# Altium PCB X98_CARRIER_V1R2_12082022.PcbDoc (part 3 of 10)
Units mm, origin at the board's own origin, x right, y up, seen from the top; angles counter-clockwise.
Board outline 100 x 72 mm, 4 copper layers (Top Layer, Layer 1, Layer 2, Bottom Layer), stack 1.543 mm thick; 772 components, 527 nets, 2344 pads, 1194 vias.
Unrouted connection lines stored in the file: 58.
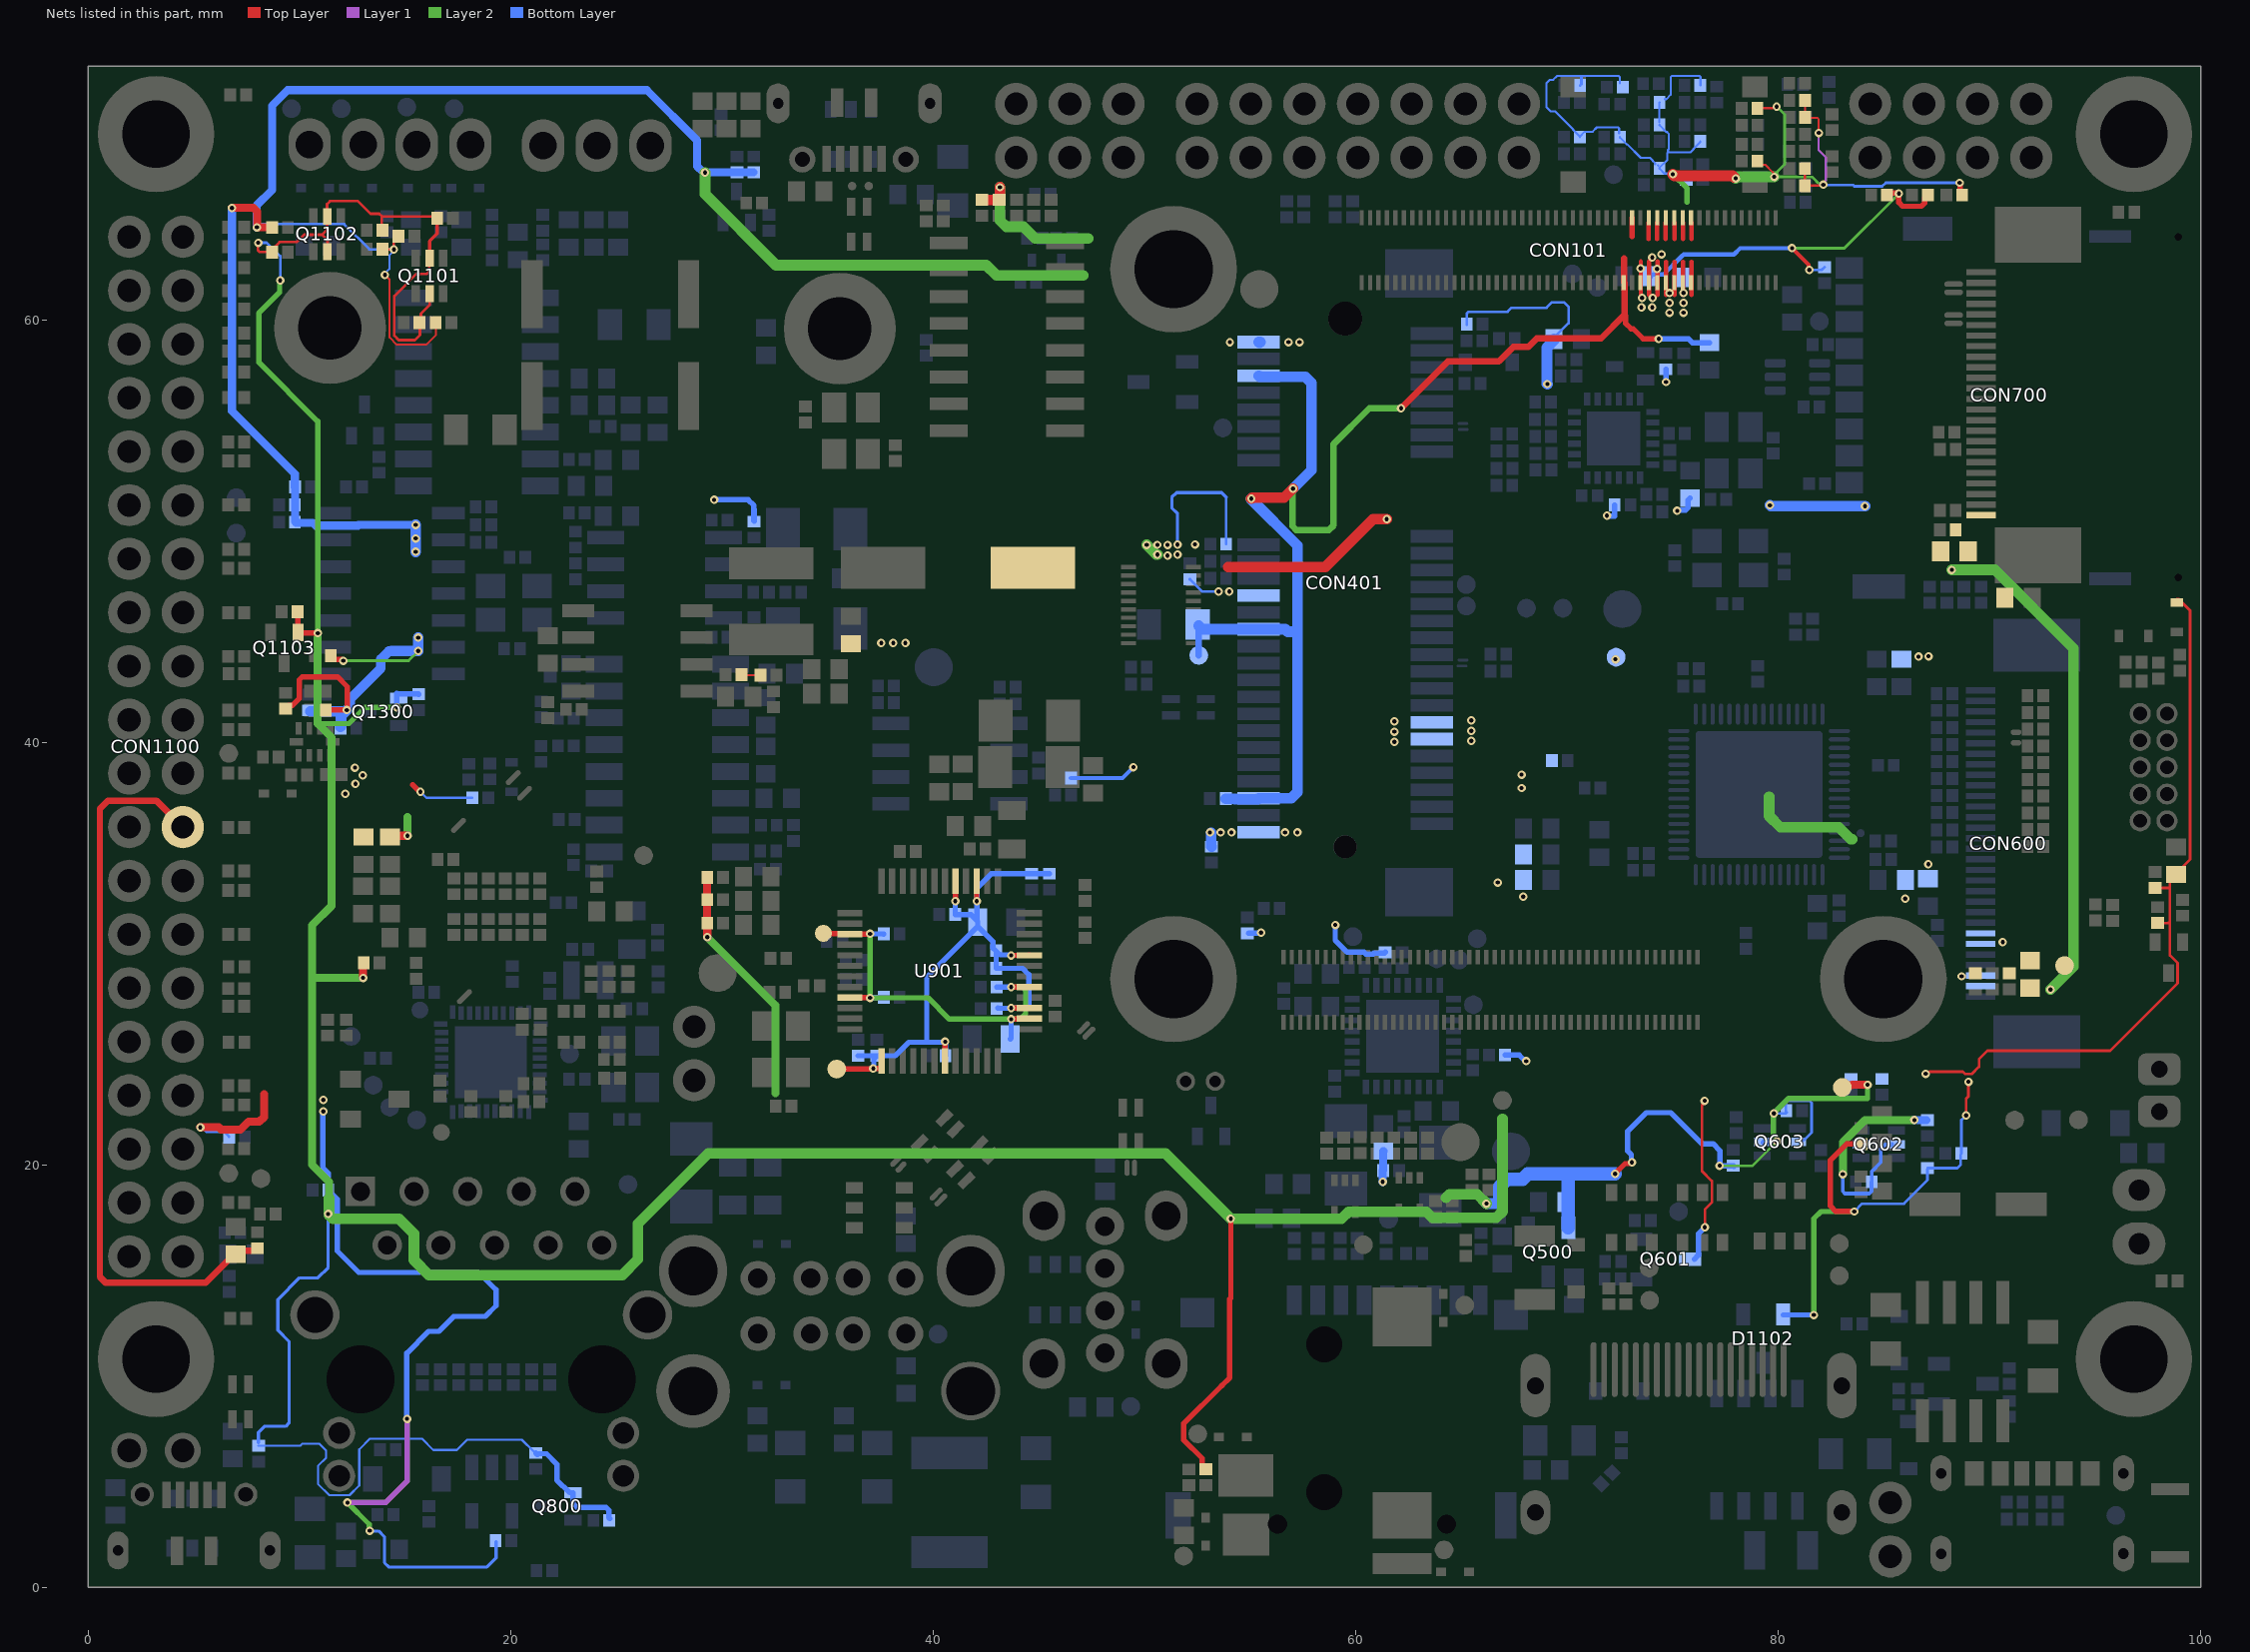
[diagram p5: the nets of this part, all layers, seen from the top]

## Footprints (in the part's own frame and the unit in brackets; to place one, negate y for a bottom-side part, rotate by r counter-clockwise, add the part's x,y. Pads: shape width x height; smd on the part's side, far side on the other; paste and mask are expansions set on the pad) (continued)
XTLOSC4_3P2X2P5MM_SM#1 [mm]
  rect 1.4x1.15 smd mask+0.051: 1(-1.1,-0.8) 2(1.1,-0.8) 3(1.1,0.8) 4(-1.1,0.8)
  silkscreen extent -2.59,-1.6 2.02,1.6, body extent -1.6,-1.25 1.6,1.25, height 0.6
XTLOSC4_3P2X2P5MM_SM#2 [mm]
  rect 1.4x1.15 smd: 1(-1.1,-0.8) 2(1.1,-0.8) 3(1.1,0.8) 4(-1.1,0.8)
  silkscreen extent -2.09,-2.2 2.11,1.69, body extent -1.6,-1.25 1.6,1.25, height 0.6

## Part data
C100 C202 C203 C210 C211 C212 C213 C217 C218 C219 C221 C222 C223 C500 C502 C925 C1204 C1308 C1309 C1310 C1311 C1312: library part CAP-CL10B105KA8NNNC, "CAP CER 1UF 25V X7R 0603", Manufacturer Part Number-1=CL10B105KA8NNNC, Manufacturer-1=SAMSUNG, Class=Capacitor, Created By=LA
C102 C104 C105 C801 C804 C806: library part CAP-C1608X5R1A226M080AC, "±20% 10V Ceramic Capacitor X5R 0603 (1608 Metric)", Manufacturer Part Number-1=C1608X5R1A226M080AC, Manufacturer-1="Murata Electronics", Class=Capacitor, Created By=E.E, Created Date=2.11.2020
C200 C309 C317 C800 C1101 C1102: library part CAP-CL05A475MP5NRNC, "CAP CER 4.7UF 10V X5R 0402", Manufacturer Part Number-1=CL05A475MP5NRNC, Manufacturer-1="Samsung Electro-Mechanics", Class=Capacitor, Created By=EE, Price Break=0.01576, Unit Price=5000
C201 C206 C209 C214 C215 C302 C303 C304 C305 C307 C308 C311 C312 C313 C316 C400 C414 C415 C416 C419 C600 C601 C602 C603 C604 C623 C625 C626 C627 C629 C631 C633 C637 C640 C700 C903 C905 C907 C908 C910 C911 C912 C914 C916 C1100 C1103 C1105 C1106 C1200 C1201 C1205 C1302 C1305 C1307 C1317: library part CAP-CL05B104KO5NNNC, "CAP VER 0.1UF 16V X7R 0402", Manufacturer Part Number-1=CL05B104KO5NNNC, Manufacturer-1=SAMSUNG, Opt. Temp.=-55/+125, Class=Capacitor, Created By=LA, Created Date=23.11.2018, Price Break=10K, Unit Price=0,00499
  C1317: ASSY_OPT=DNP
C204 C208: library part CAP-CL05B823KO5NNNC, "CAP CER 0.082UF 16V X7R 0402", Manufacturer Part Number-1=CL05B823KO5NNNC, Manufacturer-1="Samsung Electro-Mechanics", Class=Capacitor, Created By=E.E, Created Date=6.11.2020
C205 C207: library part CAP-CL31A107MQHNNNE, "CAP CER 100UF 6.3V X5R 1206", Manufacturer Part Number-1=CL31A107MQHNNNE, Manufacturer-1="Samsung Electro-Mechanics", Class=Capacitor, Created By=EE
C216 C220: library part CAP-EEE-0JA221WP, "CAP ALUM 220UF 20% 6.3V SMD", Manufacturer Part Number-1=EEE-0JA221WP, Manufacturer-1=PANASONIC, Opt. Temp.=-40/+85, Class=Capacitor, Created By=LA, Created Date=17.10.2019, Price Break=1K, Unit Price=0.093
C224 C225 C226 C227: library part CAP-CL05C221JB5NNNC, "220pF ±5% 50V Ceramic Capacitor C0G, NP0 0402 (1005 Metric)", Manufacturer Part Number-1=CL05C221JB5NNNC, Manufacturer-1="Samsung Electro-Mechanics", Class=Capacitor, Created By=EE
C300 C301: library part CAP-CC0402JRNPO9BN300, "CAP CER 30PF 50V 5% C0G/NPO 0402", Manufacturer Part Number-1=CC0402JRNPO9BN300, Manufacturer-1=Yageo, Class=Capacitor
C306: library part CAP-C0805C106M9RACAUTO, "CAP CER 10UF 6.3V X7R 0805", Manufacturer Part Number-1=C0805C106M9RACAUTO, Manufacturer-1=KEMET, Opt. Temp.=-55/+125, Class=Capacitor, Created By=LA, Features=AUTOMOTIVE
C310 C506 C1303 C1306 C1313 C1314 C1315 C1316: library part CAP-C0402C220K5GACTU, "CAP CER 22PF 50V C0G/NPO 0402", Manufacturer Part Number-1=C0402C220K5GACTU, Manufacturer-1=KEMET, Opt. Temp.=-55/+125, Class=Capacitor, Created By=LA, Created Date=23.11.2018, Price Break=10K, Unit Price=0,00420
C314: library part CAP-CL21B105KBFNNNG, "CAP CER 1UF 50V X7R 0805", Manufacturer Part Number-1=CL21B105KBFNNNG, Manufacturer-1=SAMSUNG, Class=Capacitor
C315: library part CAP-1206GC102KAT2A, "CAP CER 1NF 2KV 10% X7R SMD 1206", Manufacturer Part Number-1=1206GC102KAT2A, Manufacturer-1=KYOCERA, Opt. Temp.=-55/+125, Class=Capacitor, Created By=OKS, Features="GENERAL PURPOSE"
C401: library part CAP-EEE-FP0J471AP, "CAP ALUM 470UF 20% 6.3V SMD", Manufacturer Part Number-1=EEE-FP0J471AP, Manufacturer-1="Panasonic Electronic Components", Class=Capacitor, Created By=EE, Price Break=1000, Unit Price=0.294
C404 C406 C409: library part CAP-CL05X105KQ5NNNC, "CAP CER 1UF 6.3V X6S 0402", Manufacturer Part Number-1=CL05X105KQ5NNNC, Manufacturer-1=SAMSUNG, Opt. Temp.=-55/+125, Class=Capacitor, Created By=LA, Created Date=23.11.2018, Price Break=10K, Unit Price=0,00860
C405 C407 C408 C410 C411: library part CAP-CL05B103KO5NNNC, "CAP CER 10000PF 16V X7R 0402", Manufacturer Part Number-1=CL05B103KO5NNNC, Manufacturer-1="Samsung Electro-Mechanics", Opt. Temp.="-55°C ~ 125°C", Class=Capacitor, Created By=E.E
C412 C417 C612 C613: library part CAP-CC0402JRNPO9BN180, "CAP CER 18PF 50V C0G/NPO 0402", Manufacturer Part Number-1=CC0402JRNPO9BN180, Manufacturer-1=YAGEO, Opt. Temp.=-55/+125, Class=Capacitor, Created By=LA, Created Date=23.11.2018, Price Break=10K, Unit Price=0,00590
C413 C803 C900 C901 C902 C904 C906 C913: library part CAP-CL21A106KOQNNNG, "CAP CER 10UF 16V X5R 0805", Manufacturer Part Number-1=CL21A106KOQNNNG, Manufacturer-1=SAMSUNG, Class=Capacitor, Created By=EE, Price Break=3000, Unit Price=0.01876
C501 C621 C622 C624 C628 C636 C702: library part CAP-JMK107BC6106MA-T, "CAP CER 10UF 6.3V X6S 0603", Manufacturer Part Number-1=JMK107BC6106MA-T, Manufacturer-1="TAIYO YUDEN", Opt. Temp.=-55/+105, Class=Capacitor, Created By=LA, Created Date=23.11.2018, Price Break=4K, Unit Price=0,044
C620: library part CAP-CC0603JRX7R9BB223, "CAP CER 0.022UF 50V X7R 0603", Manufacturer Part Number-1=CC0603JRX7R9BB223, Manufacturer-1=YAGEO, Opt. Temp.=-55/+125, Class=Capacitor, Created By=LA, Created Date=20.12.2019, Price Break=1K, Unit Price=0,01961
C802: library part CAP-UWR1A101MCL1GB, "CAP ALUM 100UF 20% 10V SMD", Manufacturer Part Number-1=UWR1A101MCL1GB, Manufacturer-1=Nichicon, Class=Capacitor, Created By=EE, Price Break=1000, Unit Price=0.05481
C805: library part CAP-CL05B682KB5NNNC, "6800pF ±10% 50V Ceramic Capacitor X7R 0402 (1005 Metric)", Manufacturer Part Number-1=CL05B682KB5NNNC, Manufacturer-1="Samsung Electro-Mechanics", Class=Capacitor, Created By=E.E, Created Date=15.11.2020
C909 C915: library part CAP-CC0402JRNPO9BN101, "CAP CER 100PF 50V C0G/NPO 0402", Manufacturer Part Number-1=CC0402JRNPO9BN101, Manufacturer-1=Yageo, Class=Capacitor
C923 C924 C1202 C1203: library part CAP-GCM1555C1H180JA16D, "CAP CER 18PF 50V C0G/NP0 0402", Manufacturer Part Number-1=GCM1555C1H180JA16D, Manufacturer-1="Murata Electronics", Class=Capacitor
C1300 C1301: library part CAP-CC0402JRNPO9BN100, "CAP CER 10PF 50V C0G/NPO 0402", Manufacturer Part Number-1=CC0402JRNPO9BN100, Manufacturer-1=Yageo, Class=Capacitor
C1304 C1318: library part CAP-CGA3E2X7R2A102M080AA, "CAP CER 1000PF 100V X7R 0603", Manufacturer Part Number-1=CGA3E2X7R2A102M080AA, Manufacturer-1=TDK, Opt. Temp.=-55/+125, Class=Capacitor, Created By=LA, Features=AUTOMOTIVE
CON100 CON101: library part CON-DF40C-100DS-0.4V(51), "CONN HDR 100POS 0.4MM SMD GOLD", Manufacturer Part Number-1=DF40C-100DS-0.4V(51), Manufacturer-1=HIROSE, Class=Connector, Created By=EE, Created Date=18.11.2020, Price Break=5K, Unit Price=0.85
CON102: library part CON-DF40C-20DS-0.4V(51), "CONN RCPT 20POS SMD GOLD", Manufacturer Part Number-1=DF40C-20DS-0.4V(51), Manufacturer-1="Hirose Electric Co Ltd", Class=Connector, Created By=E.E, Created Date=8.10.2020, Price Break=5000, Unit Price=0.27550
CON103: library part "CON-10 PIN 2.54MM TH", "10 PIN 1.27 SMD", ASSY_OPT=DNP, Class=Connector
CON104 CON106 CON107: library part CON-9774030151R, "RND STANDOFF M2X0.4 STEEL 2.5MM", Manufacturer Part Number-1=9774030151R, Manufacturer-1="Würth Elektronik", Class=Connector, Price Break=700, Unit Price=0.7
CON200: library part CON-SJ-43515RS-SMT-TR, "CONN JACK 4COND 3.5MM SMD R/A", Manufacturer Part Number-1=SJ-43515RS-SMT-TR, Manufacturer-1=CUI, Opt. Temp.=-20/+85, Class=Connector, Created By=LA, Created Date=19.04.2019, Price Break=1K, Unit Price=0,5888
CON201: library part CON-OSTVN03A150, "3 Position Wire to Board Terminal Block Horizontal with Board 0.100\" (2.54mm) Through Hole", Manufacturer Part Number-1=OSTVN03A150, Manufacturer-1="On Shore Technology Inc.", Class=Connector, Created By=E.E, Price Break=1000, Unit Price=0.43520
CON202: library part CON-OSTVN04A150, "4 Position Wire to Board Terminal Block Horizontal with Board 0.100\" (2.54mm) Through Hole", Manufacturer Part Number-1=OSTVN04A150, Manufacturer-1="On Shore Technology Inc.", Class=Connector, Created By=E.E, Manufacturer Part Number-2=OSTVN04A150, Price Break=1000, Unit Price=0.5808
CON300: library part CON-HR851178C, "GIGABIT ETHERNET CONN", Manufacturer-1=HANRun, Class=Connector, Created By=EE, Manufacturer Part Number-1=HR851178C, Price Break=1000, Unit Price=2.65
CON400: library part CON-115Q-BCA0, "CONN.MICRO SIM CARD PUSH PUSH 8+2 SMT WITH SWITCH", Manufacturer Part Number-1=115Q-BCA0, Manufacturer-1=ATTEND, Class=Connector, Created By=EE, Price Break=800, Unit Price=0.93660
CON401: library part CON-2041262-1, "CONN PCI EXP MINI FEMALE 52POS", Manufacturer Part Number-1=2041262-1, Manufacturer-1=TE, Class=Connector, Created By=E.E, Price Break=1350, Unit Price=0.53856
CON402 CON403: library part CON-9774045243R, "Round Standoff Threaded M2x0.4 Steel 0.177\" (4.50mm)", Manufacturer Part Number-1=9774045243R, Manufacturer-1="Würth Elektronik", Class=Connector, Created By=EE, Price Break=100, Unit Price=0.739
CON600: library part CON-SFV30R-2STBE1HLF, "30 Position FFC, FPC Connector Contacts, Top 0.020\" (0.50mm) Surface Mount, Right Angle", Manufacturer Part Number-1=SFV30R-2STBE1HLF, Manufacturer-1="Amphenol ICC (FCI)", Class=Connector, Created By=EE, Created Date=12.11.2020, Price Break=3000, Unit Price=0.28455
CON602: library part CON-L-KLS1-285-1-N-1, "CONNECTOR SOCKET HDMI SMD 1.4 19PIN / R/A", Manufacturer Part Number-1=L-KLS1-285-1-N-1-R, Manufacturer-1="KLS Electronic(özdisan)", Class=Connector, Created By=E.E, Created Date=20.10.2020, Price Break=5000, Unit Price=0.195
CON700: library part CON-SFV24R-4STBE1HLF(GENIS), "CONN FPC TOP 24POS 0.50MM R/A", Manufacturer Part Number-1=SFV24R-4STBE1HLF, Manufacturer-1=AMPHENOL, Opt. Temp.=-55/+105, Class=Connector, Created By=LA, Created Date=06.05.2019, Price Break=3K, Unit Price=0,19575
CON800 CON1201: Manufacturer Part Number-1=KLS1-238-0-0-0-R, Manufacturer-1=KLS, Class=Connector, Created By=OKS,EE, Price Break=1000,5000, Unit Price=0.085,0.078
CON801: "CONN HEADER VERT 2POS 2MM", Manufacturer Part Number-1=B2B-PH-K-S(LF)(SN), Manufacturer-1=JST, ASSY_OPT=DNP, Class=Connector, Created By=LA, Created Date=16.05.2019, Price Break=1K, Unit Price=0,072
CON802: library part CON-640456-2, "CONN HEADER VERT 2POS 2.54MM", Manufacturer Part Number-1=640456-2, Manufacturer-1=TE, Class=Connector, Created By=LA, Created Date=16.05.2019, Price Break=1K, Unit Price=0,048
CON803: library part 0-CON-UJC-HP-3-SMT-TR, "USB JACK, C TYPE, POWER ONLY, 6", Manufacturer Part Number-1=UJC-HP-3-SMT-TR, Manufacturer-1="CUI Devices", Opt. Temp.="-40°C ~ 80°C", Class=Connector, Created By=E.E, Created Date=30.10.2020, Unit Price=0.360
CON804 CON805: library part CON-L-KLS1-207-1-02-S, "2 PIN 2.54MM HEADER", Manufacturer Part Number-1=L-KLS1-207-1-02-S, Manufacturer-1=KLS, Class=Connector, Created By=E.E, Created Date=10.11.2020, Price Break=1000, Unit Price=0.0054
CON900: library part CON-DS1096-BNO, "Universal Serial Bus (USB) Shielded I/O Receptacle, Right-Angle, Dual Stacked, Type A,", Manufacturer Part Number-1=DS1096-BNO, Manufacturer-1=CONNFLY, Class=Connector, Created By=E.E, Created Date=15.10.2020, Price Break=1000, Unit Price=0.21
CON901: "CON USB2.0 A TYPE VERTICAL TYPE TH", Manufacturer Part Number-1=DS1095-01-01-WNRQ, Class=Connector, Created By=LA, Created Date=29.03.2019
CON1000: library part "CON-8 PIN 2.54MM", "8 PIN 2.54MM HEADER", Class=Connector
CON1001: library part "CON-2 PIN 2.54", "2 PIN 2.54 HEADER", Class=Connector
CON1100: library part CON-L-KLS1-207-2-40-S, "PIN HEADER 40PIN(2X20) 2.54mm THT V/T", Manufacturer Part Number-1=L-KLS1-207-2-40-S, Manufacturer-1=KLS, Class=Connector, Created By=E.E, Created Date=5.11.2020
CON1200: library part "CON-6 PIN 2.54MM", "2x3 6 PIN 2.54MM HEADER", Class=Connector
CON1300: library part "CON-14 PIN 2.54MM", "14 PIN 2.54MM HEADER", Class=Connector
D100 D300 D400 D401 D402 D802 D1100 D1200 D1201: library part LED-LTST-C190KRKT, "LED SMD 0603 SUPER GREEN", Manufacturer Part Number-1=LTST-C190KRKT, Manufacturer-1=LITEON, Class=Led, Price Break=4000, Unit Price=0.03343
D101 D102 D1203 D1301: "DIODE SCHOTTKY 30V 200MA SOD523", Manufacturer Part Number-1=RB520S30T1G, Manufacturer-1="ON SEMI", Opt. Temp.=-55/+150, Class=Diode, Created By=LA, Created Date=23.11.2018, Price Break=3K, Unit Price=0,0324
  D101 D102: ASSY_OPT=DNP
D200 D201 D202 D203 D204 D205 D206 D207 D900 D901 D902 D1101: library part DIODE-ESD5B5.0ST1G, "VS DIODE 5V SOD523", Manufacturer-1="ON Semiconductor", Opt. Temp.=-55/+150, Class=Diode, Created By=E.E, Created Date=3.11.2020, Features=AUTOMOTIVE, Manufacturer Part Number-1=ESD5B5.0ST1G, Price Break=3000, Unit Price=0,0129
D403: library part DIODE-SMF05C.TCT, "TVS DIODE 5V 12.5V SC70-6", Manufacturer Part Number-1=SMF05C.TCT, Manufacturer-1=TOSHIBA, Class=Diode, Created By=EE, Price Break=3000, Unit Price=0.315D
D404 D600 D604: library part DIODE-NSR0320MW2T1G, "Diode Schottky 1A (DC) Surface Mount SOD-323", Manufacturer Part Number-1=NSR0320MW2T1G, Manufacturer-1="ON Semiconductor", Opt. Temp.="-55°C ~ 125°C", Class=Diode, Created By=E.E, Created Date=21.10.2020
D500 D501: "TVS DIODE 5V 4CH SOT-553", Manufacturer Part Number-1=DF5A6.2LJE,LM, Manufacturer-1=TOSHIBA, Class=Diode, Created By=OKS, Created Date=29.03.2019
D601 D602 D603 D803 D903 D904 D1202: library part DIODE-DT1042-04SOQ-7, "HDMI TVS DIODE", Manufacturer-1="Diodes Incorporated", Opt. Temp.="-55°C ~ 85°C (TA)", Class=Diode, Created By=E.E, Created Date=23.10.2020, Manufacturer Part Number-1=DT1042-04SOQ-7, Price Break=3000, Unit Price=0.07575
D800: library part DIODE-PZU5.1B2A,115, "DIODE ZENER 5.1V 320MW SOD323", Manufacturer Part Number-1=PZU5.1B2A,115, Manufacturer-1="Nexperia USA Inc.", Class=Diode, Created By=EE
D801: library part DIODE-PDZ15B,115, "DIODE ZENER 15V 400MW SOD323", Manufacturer Part Number-1=PDZ15B,115, Manufacturer-1="Nexperia USA Inc.", Class=Diode, Created By=LA
D804: library part DIODE-MMSZ5231BT1G, "DIODE ZENER 5.1V 500MW SOD123", Manufacturer-1="ON Semiconductor", ASSY_OPT=DNP, Class=Diode, Created By=EE, Manufacturer Part Number-1=MMSZ5231BT1G
D805: library part DIODE-SS1030_R1_00001, "DIODE SCHOTTKY 1A 30V SOD123 SMT", Manufacturer Part Number-1=SS1030_R1_00001, Manufacturer-1=PANJIT, Class=Diode, Created By=EE
D1102: library part DIODE-BAT54C, "DIODE ARRAY SCHOTTKY 30V SOT23-3", Manufacturer Part Number-1=BAT54ALT1G, Manufacturer-1="ON SEMI", Opt. Temp.=+125, Class=Diode, Created By=EE, Price Break=100, Unit Price=0,037
D1300: "TVS DIODE 12V 31V SOT23-3", Manufacturer Part Number-1=SM712-02HTG, Manufacturer-1=LITTELFUSE, Opt. Temp.=-40/+125, ASSY_OPT=DNP, Class=Diode, Created By=LA, Created Date=06.05.2019, Price Break=3K, Unit Price=0,30450
F901: library part FUSE-KMC5S110RY33, "THERMISTOR PTC RESETTABLE FUSE 1206 1100mA 33V 1812", Manufacturer Part Number-1=KMC5S110RY33, Manufacturer-1=THINKING, Class=FUSE, Created By=EE, Price Break=4000, Unit Price=0.083
FD100 FD101 FD102 FD103 FD104 FD105: Manufacturer Part Number-1="\"", Class="\"", Created By="\"", Created Date="\"", Manufacturer-1="\"", Opt. Temp.="\"", Price Break="\"", Unit Price="\""
L104 L105 L106 L107 L201 L204 L401 L1102 L1104 L1200 L1204 L1205 L1206 L1300 L1301 L1302 L1303 L1304 L1305 L1306 L1307 L1308 L1309 L1310: library part "IND-FERRITE (RES 0 OHM) 0402", "0OHM 0402", Manufacturer Part Number-1=RMCF0402ZT0R00, Manufacturer-1="Stackpole Electronics Inc", Class=Inductor, Created By=EE, Price Break=1000, Unit Price=0.00186
  L1204 L1205 L1206: ASSY_OPT=DNP
L200 L211 L500 L607 L701 L805 L807 L902 L909: library part "IND-FERRITE (RES 0 OHM) 0603", "0OHM 0603", Manufacturer Part Number-1=RC0603JR-070RL, Manufacturer-1=YAGEO, Class=Inductor, Created By=EE
  L807: ASSY_OPT=DNP
L202 L212 L803 L806 L911 L1201: library part "IND-FERRITE (RES 0 OHM) 0805", "0OHM 0805", Manufacturer Part Number-1=AC0805JR-070RL, Manufacturer-1=YAGEO, Class=Inductor, Created By=EE
  L803: ASSY_OPT=DNP
L206 L1100 L1101: library part IND-BLM18EG471SN1D, "- Ferrite Bead 0603 (1608 Metric) 500mA 210mOhm", Manufacturer Part Number-1=BLM18EG471SN1D, Manufacturer-1="Murata Electronics", Class=Inductor, Created By=E.E, Created Date=6.11.2020
L207 L208 L209 L210 L402 L403 L800 L802 L808 L900 L903 L905 L907 L908 L1203: library part IND-BLM18PG121SH1D, "Ferrite Beads Multi-Layer 120Ohm 25% 100MHz 2A 0.05Ohm DCR 0603 Automotive T/R", Manufacturer Part Number-1=BLM18PG121SH1D, Manufacturer-1="Murata Manufacturing", Class=Inductor, Created By=E.E, Created Date=2.11.2020, Price Break=4000, Unit Price=0.02550
L300: library part IND-CIGT201610LM2R2MNE, "FIXED IND 2.2UH 1.6A 154MOHM SMD", Manufacturer Part Number-1=CIGT201610LM2R2MNE, Manufacturer-1="Samsung Electro-Mechanics", Class=Inductor, Created By=EE, Price Break=1000, Unit Price=0.08129
L301: library part "IND-FERRITE 0805", "FERRITE BEAD 0805", Class=Inductor
L302 L303 L600 L601 L606: library part IND-MPZ1608S221ATA00, "Power Line Ferrite Bead 0603 (1608 Metric) 2.2A 50mOhmFERRITE BEAD 220 OHM 0603 1LN", Manufacturer Part Number-1="TDK Corporation", Opt. Temp.="-55 TO 125", Class=Inductor, Created By=E.E, Created Date=28.10.2020, Manufacturer-1="TDK Corporation", Price Break=4000, Unit Price=0.02080
L400 L405: library part "IND-FERRITE 0603", "FERRITE BEAD 0603", Manufacturer Part Number-1=MPZ1608S260ATAH0, Manufacturer-1=TDK, ASSY_OPT=DNP, Class=Inductor
L404 L801 L901 L904 L906 L1202: library part IND-DLW21HN900SQ2L, "Common Mode Chokes Dual 90Ohm 100MHz 0.33A 0.35Ohm DCR SMD T/R", Manufacturer Part Number-1=DLW21HN900SQ2L, Manufacturer-1="Murata Manufacturing", Class=Inductor, Created By=E.E, Created Date=2.11.2020
  L404 L901 L904 L906 L1202: Price Break=3000, Unit Price=0.185
L804: library part IND-NRS5030T2R2NMGJ, "Shielded Wirewound Inductor 23mOhm Nonstandard", Manufacturer Part Number-1=NRS5030T2R2NMGJ, Manufacturer-1="Taiyo Yuden", Class=Inductor, Created By=E.E, Created Date=3.11.2020
M100 M101 M102 M103: library part "CON-M3 SCREW", "M3 SCREW"
Q200 Q201 Q400 Q600 Q800 Q1100 Q1103 Q1300: "MOSFET N-CH 50V 0.2A UMT3F", Manufacturer Part Number-1=RU1J002YNTCL, Manufacturer-1=ROHM, Opt. Temp.=-55/+150, Class=Transistor, Created By=LA, Created Date=23.11.2018, Price Break=3K, Unit Price=0,0384
Q300 Q601: library part TRANSISTOR-BC846, "TRANS PNP 65V 0.1A SOT-23", Manufacturer Part Number-1=BC846B,215, Manufacturer-1=NXP, Class=TRANSISTOR, Created By=LA, Price Break=3000, Unit Price=0.02306
Q500: library part MOS-DMG2305UX-13, "MOSFET P-CH 20V 4.2A SOT23", Manufacturer-1="Diodes Incorporated", Class=Transistor, Created By=EE, Manufacturer Part Number-1=DMG2305UX-13, Unit Price=0.072D
Q602 Q603 Q1101 Q1102: library part MOS-N-SSM6N37FU,LF, "MOSFET DUAL N-CHANNEL 20V 250MA SOT-363", Manufacturer Part Number-1=SSM6N37FU,LF, Manufacturer-1=TOSHIBA, Opt. Temp.="-55°C ~ 150°C (TJ)", Class=Transistor, Created By=OKS, Created Date=26.05.2022
Q801: library part MOS-P-DMP3028LSD-13, "MOSFET 2P-CH 30V 6A SO-8", Manufacturer Part Number-1=DMP3028LSD-13, Manufacturer-1="Diodes Incorporated", Class=Transistor
Q802: library part TRANSISTOR-BC856, "TRANS PNP 65V 0.1A SOT-23", Manufacturer Part Number-1=BC856, Manufacturer-1="ON Semi", Class=TRANSISTOR, Created By=LA
R100 R102 R103 R104 R105 R106 R304 R305 R306 R312 R313 R314 R316 R330 R331 R332 R333 R334 R335 R336 R337 R338 R341 R342 R343 R344 R807 R808 R810 R811 R812 R815 R818 R1000 R1001 R1002 R1006 R1007 R1008 R1012 R1013 R1014 R1015 R1016 R1017 R1019 R1023 R1024 R1026 R1030 R1031 R1032 R1033 R1034 R1035 R1036 R1041 R1042 R1331: library part RES-4.7K, "RES 4.7K OHM 5% 1/16W 0402", Manufacturer Part Number-1=RC0402JR-074K7L, Manufacturer-1=Yageo, Opt. Temp.=-55/+155, Tolerance=%5, Class=Resistor, Created By=LA
  R807 R808 R818 R1006 R1007 R1008 R1015 R1016 R1017 R1026 R1033 R1034 R1035 R1036 R1041 R1042: ASSY_OPT=DNP
R101 R801 R820 R821 R1100 R1200 R1201 R1206 R1210: library part RES-RMCF0402JT1K00, "RES 1K OHM 5% 1/16W 0402", Manufacturer Part Number-1=RMCF0402JT1K00, Manufacturer-1=STACKPOLE, Opt. Temp.=-55/+155, Tolerance=%5, Class=Resistor, Created By=LA, Created Date=23.11.2018, Price Break=10K, Unit Price=0,00127
  R1210: ASSY_OPT=DNP
R111 R112 R113 R114 R116 R119 R127 R400 R401 R402 R409 R412 R413 R414 R813 R1110 R1111 R1112 R1113 R1114 R1115 R1116 R1117 R1118 R1119 R1120 R1121 R1123 R1124 R1125 R1127 R1128 R1129 R1130 R1131 R1133 R1134 R1135 R1136 R1137 R1138 R1139 R1140 R1141 R1142 R1143 R1144: library part RES-CRGCQ0402J330R, "330 ±5% 0.063W, 1/16W Chip Resistor 0402 (1005 Metric) Automotive AEC-Q200, Moisture Resistant Thick Film", Manufacturer Part Number-1=CRGCQ0402J330R, Manufacturer-1="TE Connectivity Passive Product", Opt. Temp.="-55°C ~ 155°C", Tolerance=%5, Class=Resistor, Created By=E.E, Created Date=23.10.2020
  R414 R1115 R1138 R1142 R1144: ASSY_OPT=DNP
R115 R124 R125 R126 R208 R209 R300 R301 R307 R308 R311 R317 R320 R321 R322 R323 R324 R325 R326 R327 R328 R329 R348 R404 R415 R416 R417 R418 R419 R420 R428 R429 R604 R605 R606 R607 R608 R620 R621 R635 R636 R637 R638 R639 R640 R641 R642 R643 R644 R645 R646 R647 R648 R649 R650 R701 R702 R703 R704 R705 R905 R907 R908 R909 R910 R1309 R1311 R1313 R1315 R1324: library part RES-RMCF0402ZT0R00, "RES 0 OHM JUMPER 1/16W 0402", Manufacturer Part Number-1=RMCF0402ZT0R00, Manufacturer-1=STACKPOLE, Opt. Temp.=-55/+155, Class=Resistor, Created By=LA, Created Date=23.11.2018, Price Break=10K, Unit Price=0,00127
  R124 R125 R126 R208 R209 R404 R417 R418 R605 R607 R635 R637 R639 R641 R643 R645 R647 R649 R1309 R1311 R1313 R1315 R1324: ASSY_OPT=DNP
R117 R205 R210 R211 R809 R1209: library part RES-CRGCQ0402F2K2, "2.2 ±1% 0.063W, 1/16W Chip Resistor 0402 (1005 Metric) Automotive AEC-Q200, Moisture Resistant Thick Film", Manufacturer Part Number-1=CRGCQ0402F2K2, Manufacturer-1="TE Connectivity Passive Product", Opt. Temp.="-55°C ~ 155°C", Class=Resistor, Created By=E.E, Created Date=22.10.2020
R120 R121 R122 R202 R203 R339 R411 R421 R427 R619 R625 R626 R628 R629 R630 R631 R632 R633 R634 R800 R803 R804 R805 R900 R901 R1101 R1102 R1103 R1104 R1105 R1106 R1107 R1108 R1109 R1122 R1126 R1145 R1146 R1319 R1322 R1327: library part RES-RMCF0402JT10K0, "RES 10K OHM 5% 1/16W 0402", Manufacturer Part Number-1=RMCF0402JT10K0, Manufacturer-1=STACKPOLE, Opt. Temp.=-55/+155, Tolerance=%5, Class=Resistor, Created By=LA, Created Date=23.11.2018, Price Break=10K, Unit Price=0,00127
  R120 R121 R122 R427 R1122 R1322 R1327: ASSY_OPT=DNP
R123: library part RES-RMCF0603FT100R, "RES 100 OHM %1 1/10W 0603", Manufacturer Part Number-1=RMCF0603FT100R, Manufacturer-1=STACKPOLE, Opt. Temp.=-55/+155, ASSY_OPT=DNP, Class=Resistor, Created By=LA, Features=AUTOMOTIVE
R200 R212 R410 R514 R611 R612 R623 R624 R627 R902 R903 R904 R1003 R1004 R1005 R1009 R1010 R1011 R1018 R1020 R1021 R1022 R1025 R1027 R1028 R1029 R1037 R1038 R1039 R1040 R1043 R1044 R1300 R1301 R1302 R1307 R1310 R1314 R1317 R1318 R1329 R1330: library part RES-RMCF0402JT100K, "RES 100K OHM 5% 1/16W 0402", Manufacturer Part Number-1=RMCF0402JT100K, Manufacturer-1=STACKPOLE, Opt. Temp.=-55/+155, Tolerance=%5, Class=Resistor, Created By=LA, Created Date=23.11.2018, Price Break=10K, Unit Price=0,00127
  R200 R212 R410 R514 R611 R612 R623 R624 R627 R902 R903 R904 R1009 R1010 R1018 R1020 R1021 R1022 R1025 R1027 R1028 R1029: Features=AUTOMOTIVE
  R1003 R1004 R1005 R1011 R1037 R1038 R1039 R1040 R1043 R1044: ASSY_OPT=DNP, Features=AUTOMOTIVE
  R1310 R1314 R1318 R1330: ASSY_OPT=DNP
R201: library part RES-RMCF0402JT2M20, "RES 2.2M OHM 5% 1/16W 0402", Manufacturer Part Number-1=RMCF0402JT2M20, Manufacturer-1=STACKPOLE, Opt. Temp.=-55/+155, Tolerance=%5, Class=Resistor, Created By=LA, Created Date=23.11.2018, Price Break=10K, Unit Price=0,00127
R302 R303 R309 R310 R318 R319: library part RES-RC0402FR-07470R, "RES SMD 470 OHM 1% 1/16W 0402", Manufacturer Part Number-1=RC0402FR-07470RL, Manufacturer-1=YAGEO, Opt. Temp.=-55/+155, Tolerance=%1, Class=Resistor, Created By=LA, Created Date=23.11.2018, Price Break=10K, Unit Price=0,00211
R315: library part RES-RMCF0603FT2K49, "RES 2.49K OHM 1% 1/10W 0603", Manufacturer Part Number-1=RMCF0603FT2K49, Manufacturer-1="Stackpole Electronics Inc", Class=Resistor
R340: library part RES-RMCF0402JT1K50, "RES SMD 1.5K OHM 5% 1/16W 0402 AUTOMOTIVE", Manufacturer Part Number-1=RMCF0402JT1K50, Manufacturer-1=STACKPOLE, Opt. Temp.=-55/+155, Tolerance=%5, Class=Resistor, Created By=OKS, Created Date=10.07.2021, Price Break=10K, Unit Price=0,00211
R345 R346 R347: library part RES-RC0603FR-070RL, "RES 0R OHM JUMPER 1/10W 0603", Manufacturer Part Number-1=RC0603FR-070RL, Manufacturer-1=YAGEO, Opt. Temp.=-55/+155, Class=Resistor, Created By=LA
R403 R407: library part RES-RMCF0402JT15K0, "RES 15K OHM 5% 1/16W 0402", Manufacturer Part Number-1=RMCF0402JT15K0, Manufacturer-1=STACKPOLE, Opt. Temp.=-55/+155, Tolerance=%5, Class=Resistor, Created By=LA, Created Date=23.11.2018, Price Break=10K, Unit Price=0,00127
R405: library part RES-RC0402JR-0747RL, "RES SMD 47 OHM 5% 1/16W 0402", Manufacturer Part Number-1=RC0402JR-0747RL, Manufacturer-1=Yageo, Class=Resistor, Created By=EE
R408 R500 R501 R502 R503 R504 R505 R506: library part RES-47K, "RES 47K OHM 5% 1/16W 0402", Opt. Temp.=-55/+155, Tolerance=%5, Class=Resistor, Created By=LA
R425 R426: library part RES-CR0402-FX-49R9GLF, "49.9 ±1% 0.063W, 1/16W Chip Resistor 0402 (1005 Metric) - Thick Film", Manufacturer Part Number-1=CR0402-FX-49R9GLF, Manufacturer-1="Bourns Inc.", Opt. Temp.="-55°C ~ 155°C", Tolerance=±1%, ASSY_OPT=DNP, Class=Resistor, Created By=E.E, Created Date=21.10.2020
R507 R508 R509 R510 R511 R512 R513: library part "RES- RC0402JR-0722RL.", "RES, THICK FILM, 22R, 5%, 0.0625W, 0402, REEL", Manufacturer Part Number-1=RC0402JR-0722RL., Manufacturer-1=YAGEO, Class=Resistor, Created By=E.E, Created Date=22.10.2020